# Altium PCB 学习型红外转发器.PcbDoc
Units mm, origin at the board's own origin, x right, y up, seen from the top; angles counter-clockwise.
Board outline 87.63 x 86 mm, 2 copper layers (Top Layer, Bottom Layer); 53 components, 40 nets, 214 pads, 144 vias.
Unrouted connection lines stored in the file: 5.
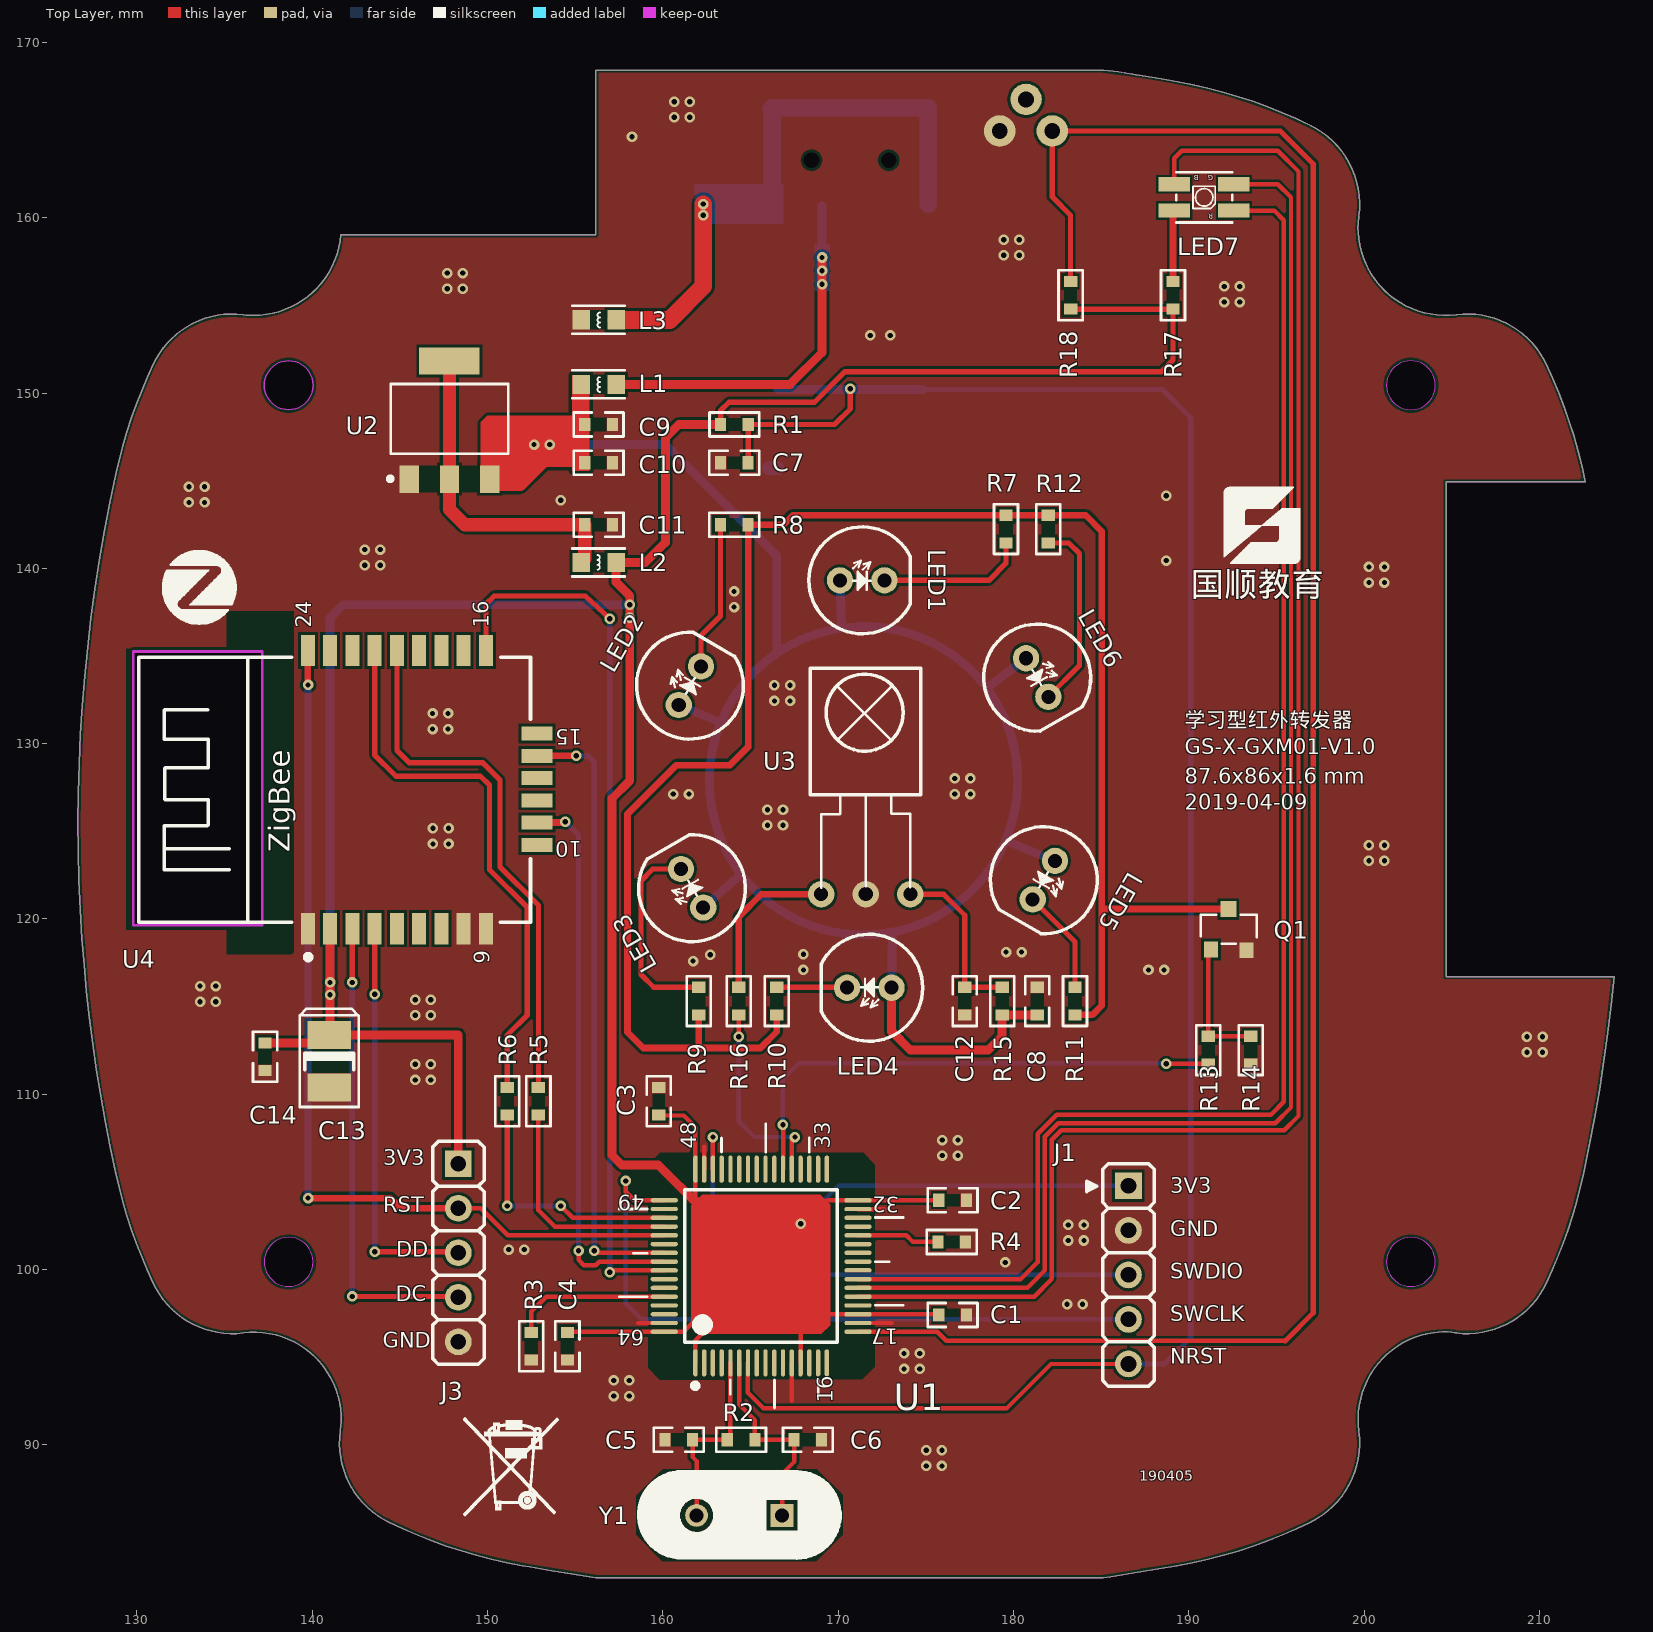
[diagram p0: Top Layer view]
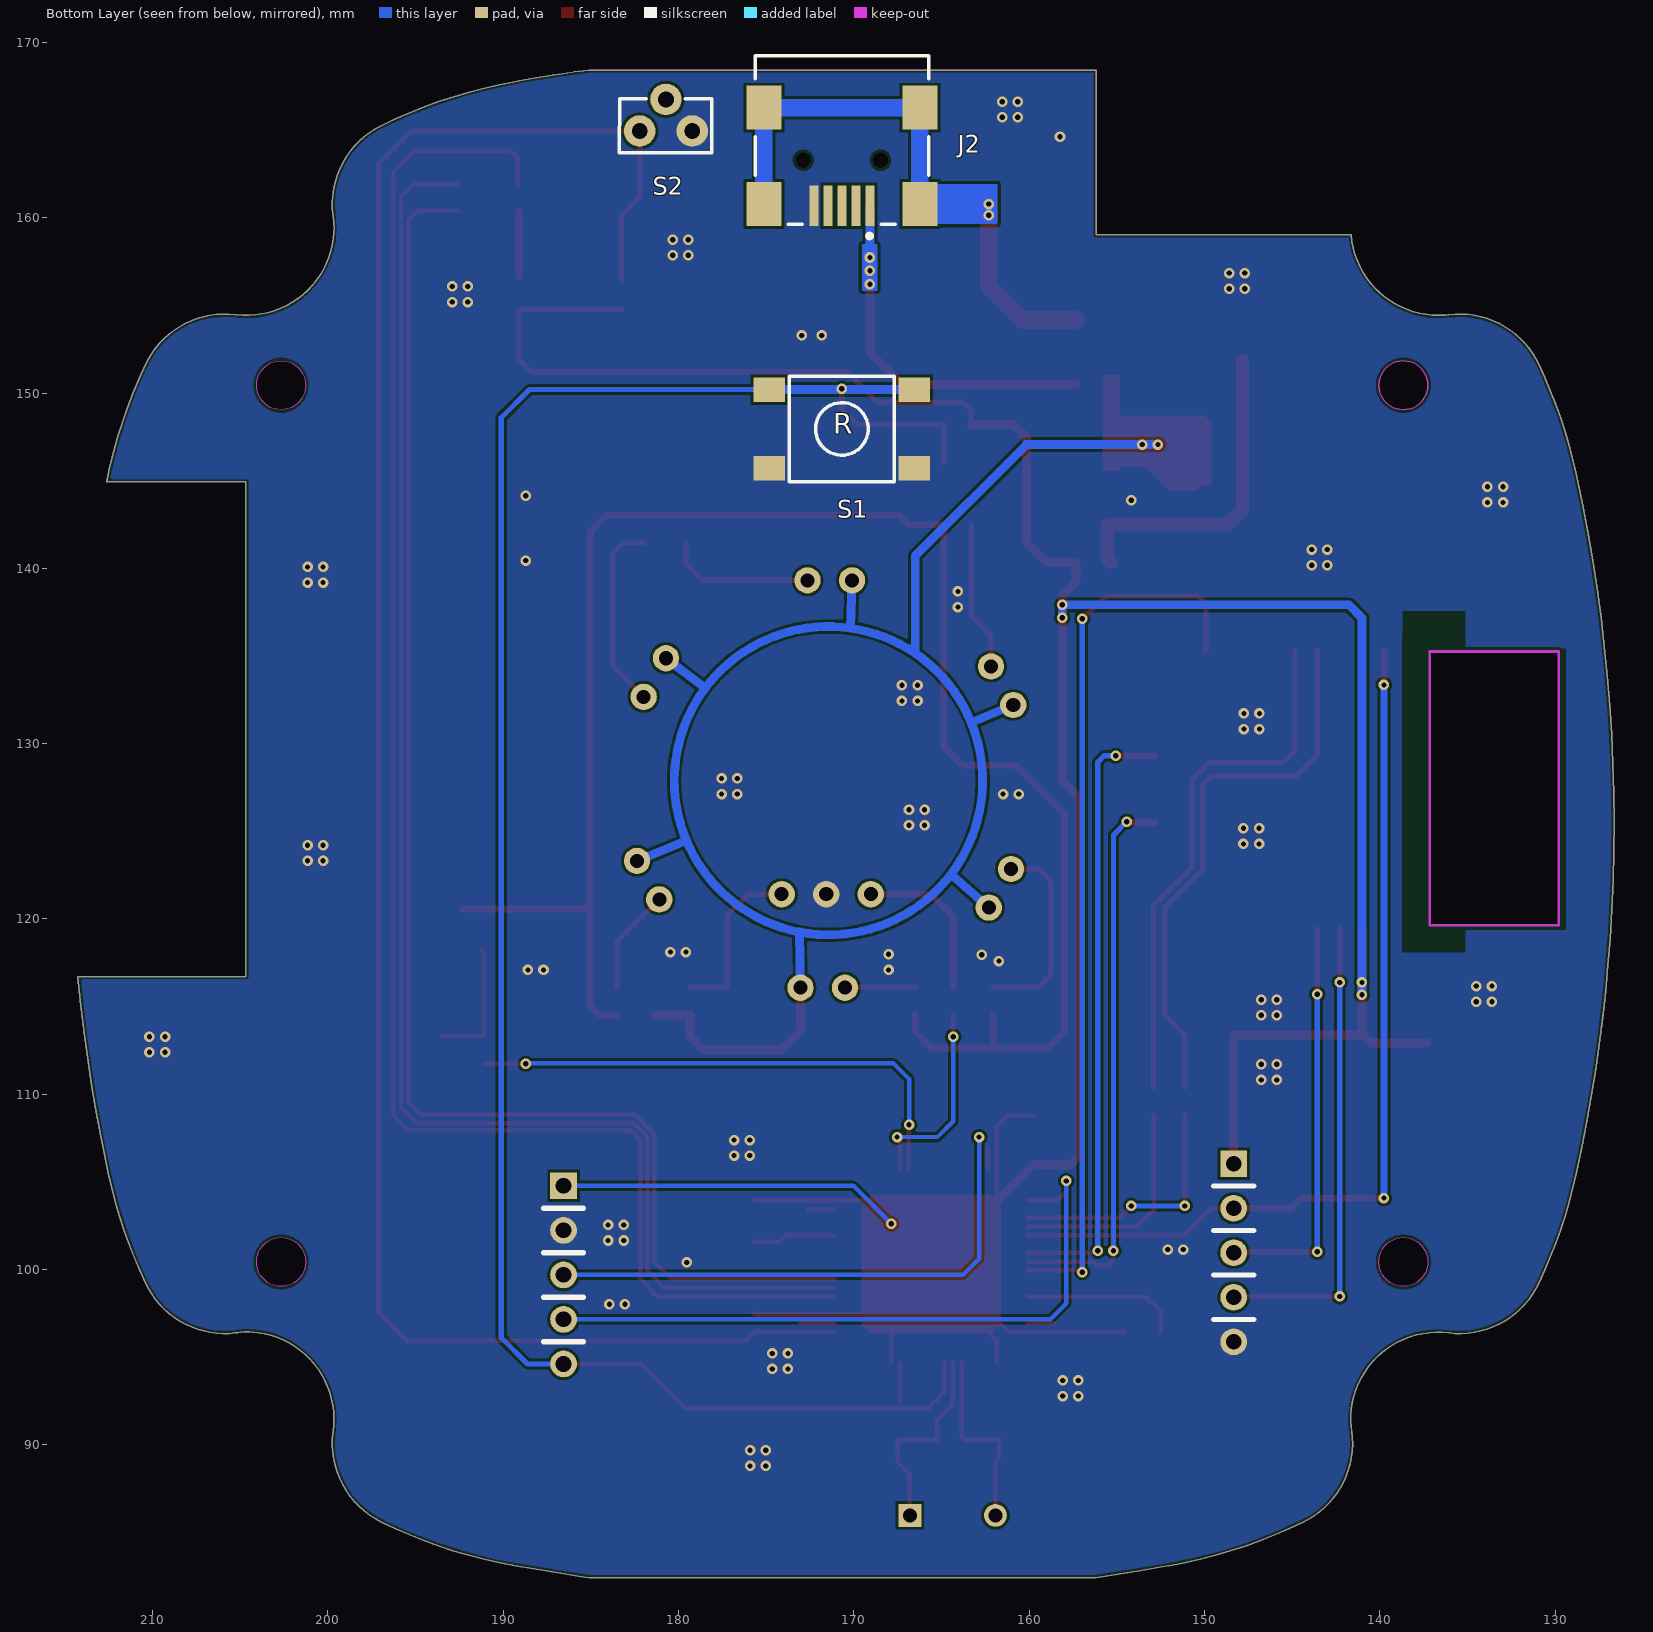
[diagram p1: Bottom Layer view, seen from below]
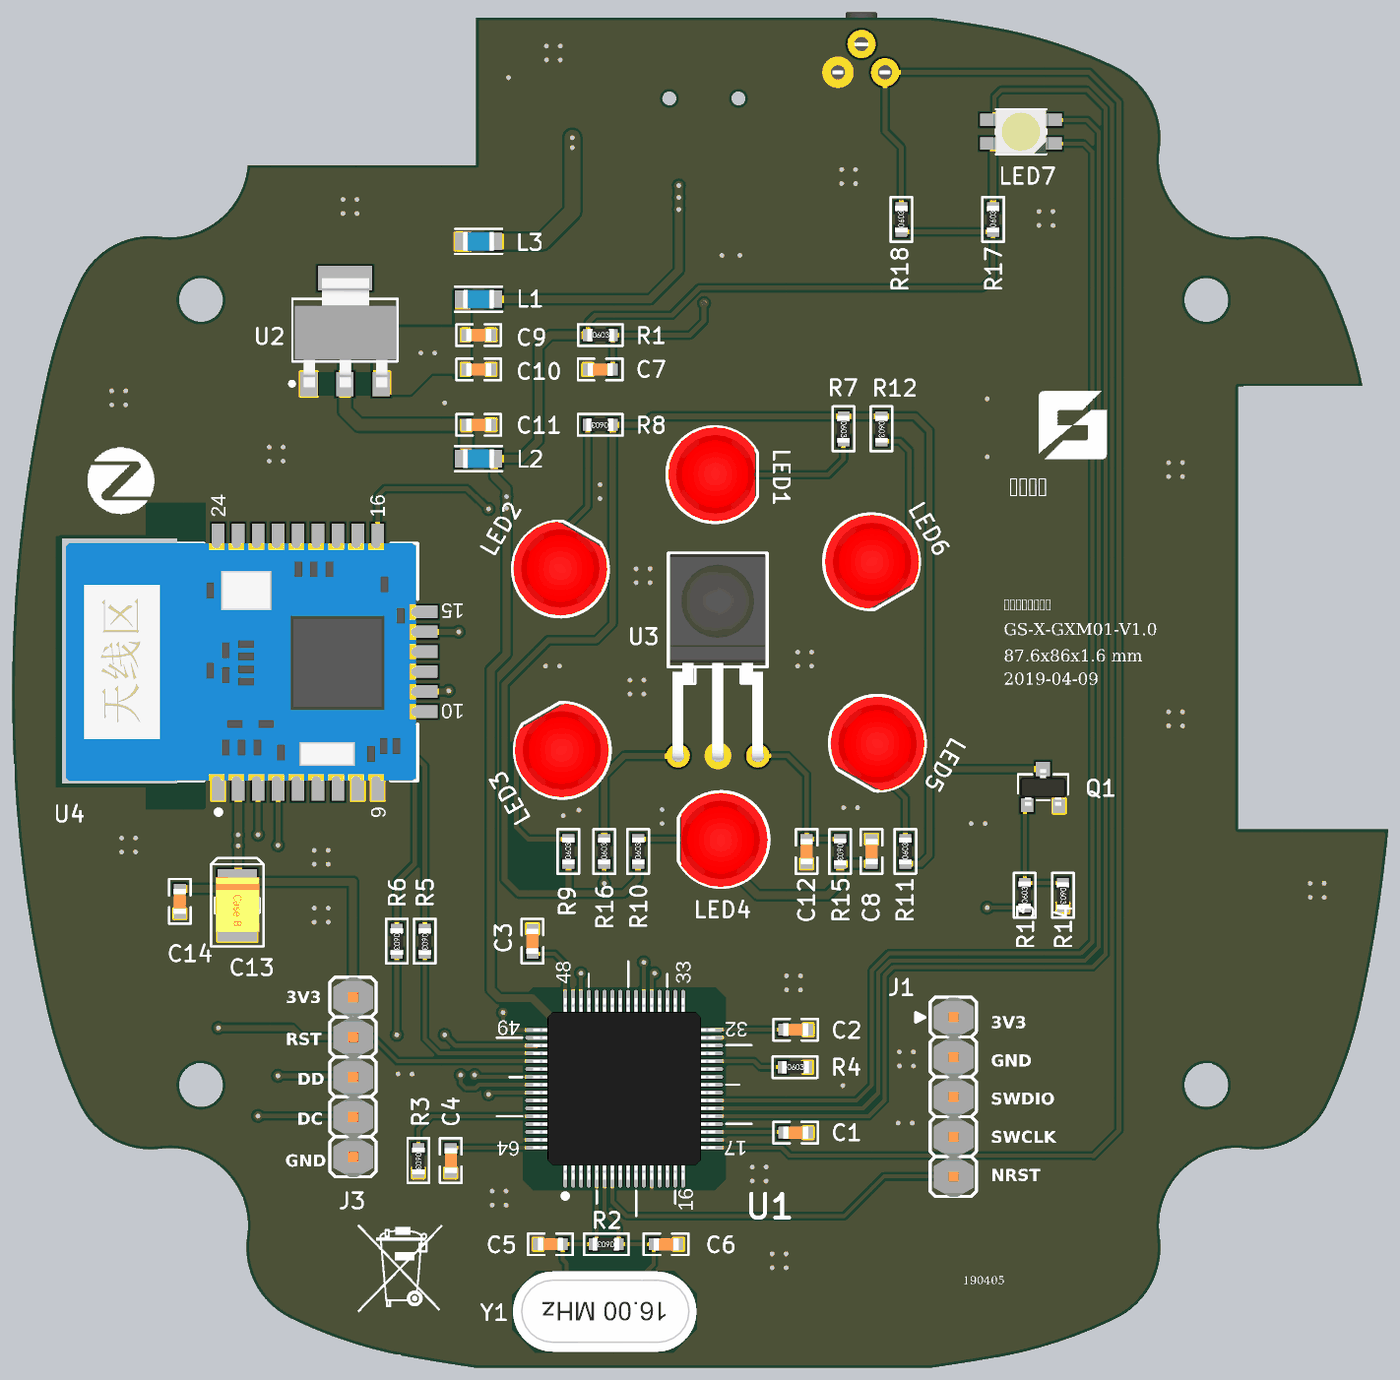
[diagram p2: 3D render of the assembled board from above, using the file's embedded part models]
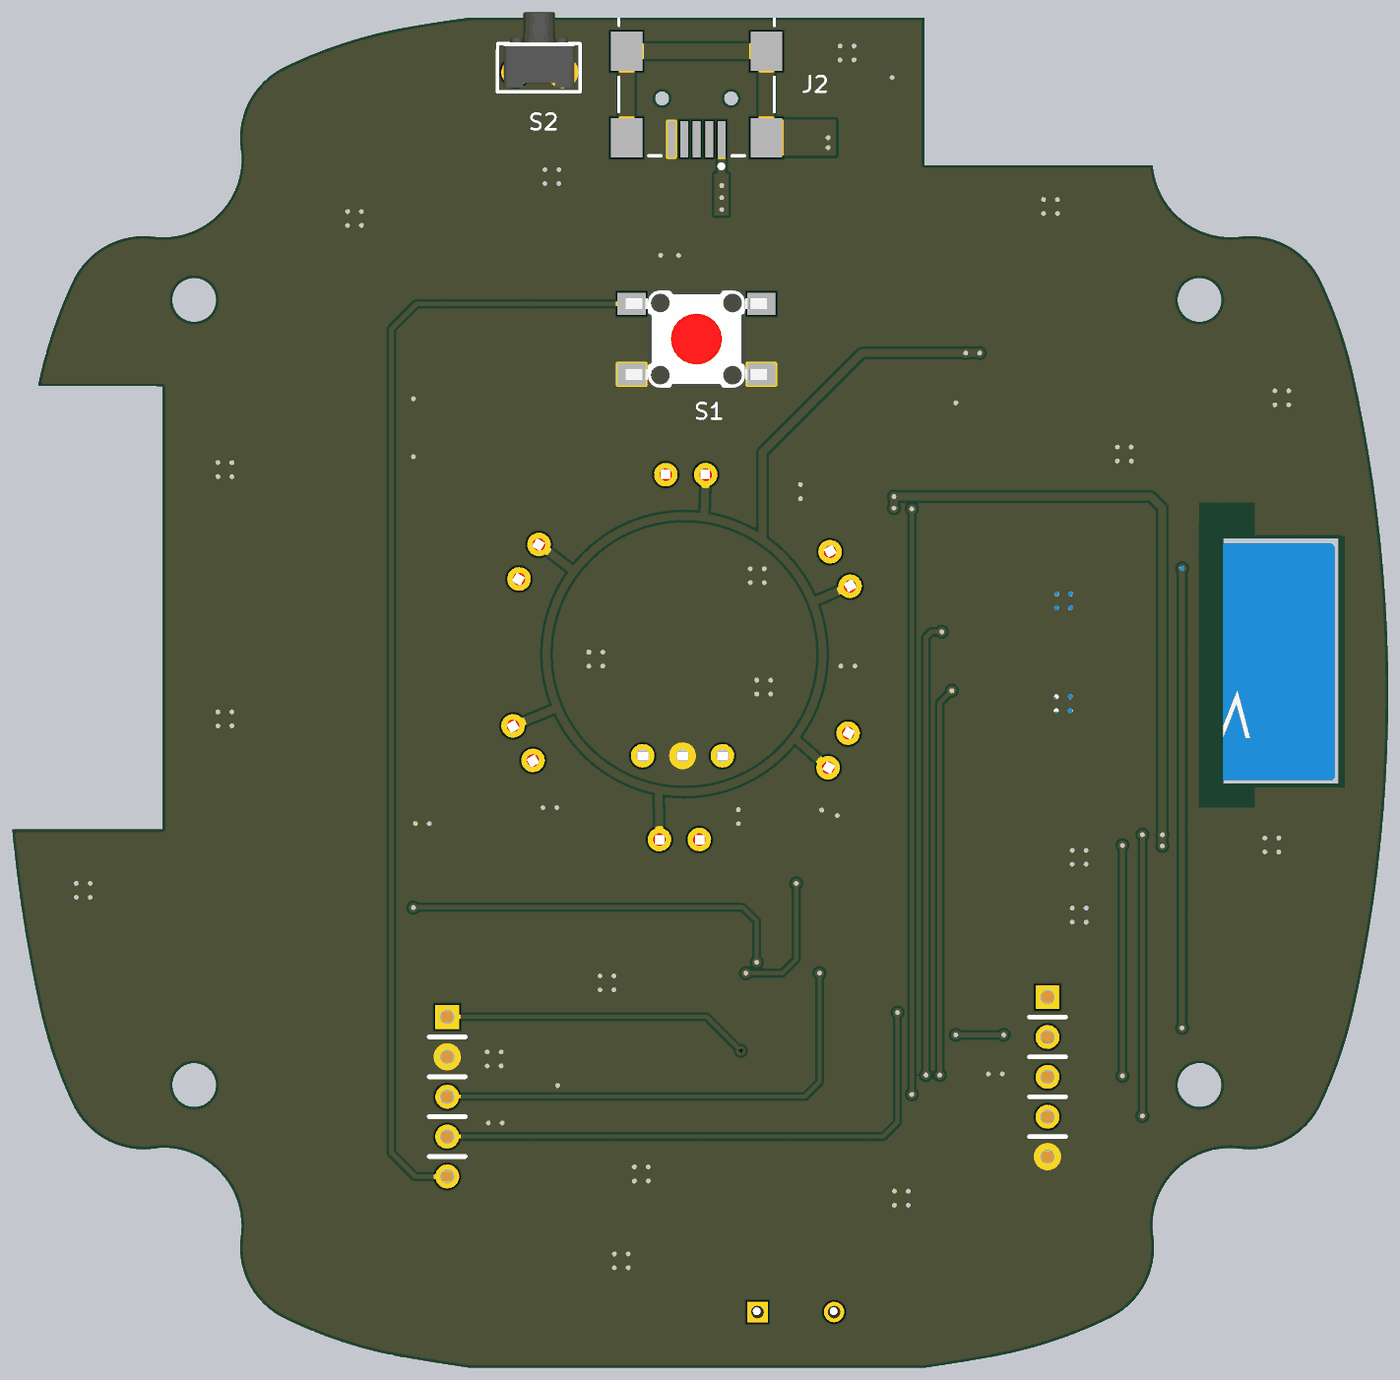
[diagram p3: 3D render of the assembled board from below, using the file's embedded part models]

## Layer stack, top to bottom
Top Solder: solder mask 0.0102, Solder Resist, Dk 3.5
Top Layer: signal copper 0.0356
Dielectric1: dielectric 0.32, FR-4, Dk 4.8
Bottom Layer: signal copper 0.0356
Bottom Solder: solder mask 0.0102, Solder Resist, Dk 3.5

## Board outline
144.372,85.597 cw(c146.562,90.104) 141.595,90.769 ccw(c137.235,91.465) 141.628,91.026 ccw(c137.011,91.478) 141.615,92.049 ccw(c136.691,91.467) 136.056,96.384 cw(c135.451,101.344) 130.934,99.21 cw(c157.137,111.639) 128.796,105.485 cw(c218.103,125.194) 126.866,118.872 cw(c219.949,125.414) 128.796,145.374 cw(c157.135,139.22) 130.934,151.649 cw(c135.451,149.515) 136.056,154.474 136.249,154.45 ccw(c136.647,159.439) 141.635,159.032 156.184,159.032 156.184,168.429 185.121,168.429 cw(c176.162,97.681) 186.818,168.194 188.083,167.993 188.923,167.848 189.343,167.774 cw(c184.024,138.847) 196.959,165.262 cw(c194.725,160.756) 199.71,160.09 ccw(c203.483,159.451) 199.677,159.844 ccw(c203.851,159.415) 199.655,159.469 ccw(c204.386,159.412) 199.69,158.835 ccw(c204.658,159.441) 205.275,154.474 cw(c205.879,149.515) 210.397,151.649 cw(c184.197,139.221) 212.626,144.936 204.684,144.935 204.684,116.718 214.264,116.718 214.263,116.705 cw(c120.692,125.43) 212.528,105.488 cw(c184.548,111.487) 210.397,99.21 cw(c205.879,101.344) 205.275,96.384 ccw(c204.606,92.742) 205.014,96.423 ccw(c204.587,92.53) 204.499,96.445 ccw(c204.602,91.916) 203.989,96.405 203.989,96.404 ccw(c204.652,91.459) 199.71,90.769 cw(c194.725,90.103) 196.959,85.597 cw(c184.182,111.652) 189.335,83.094 189.343,83.11 cw(c169.419,193.665) 187.235,82.751 185.544,82.491 185.121,82.429 156.184,82.429 154.931,82.618 153.672,82.82 152.409,83.035 151.988,83.11 cw(c156.913,111.104)
cut-out: 201.279,100.437 ccw(c202.677,100.437) 202.677,99.04 ccw(c202.677,100.437) 204.074,100.437 ccw(c202.677,100.437) 202.677,101.834 ccw(c202.677,100.437)
cut-out: 137.256,100.437 ccw(c138.653,100.437) 138.654,99.04 ccw(c138.654,100.437) 140.051,100.437 ccw(c138.654,100.437) 138.654,101.834 ccw(c138.653,100.437)
cut-out: 201.279,150.447 ccw(c202.677,150.447) 202.677,149.05 ccw(c202.677,150.447) 204.074,150.447 ccw(c202.677,150.447) 202.677,151.844 ccw(c202.677,150.447)
cut-out: 138.654,149.05 cw(c138.653,150.447) 137.256,150.447 cw(c138.653,150.447) 138.654,151.844 cw(c138.654,150.447) 140.051,150.447 cw(c138.654,150.447)
cut-out: 129.794,119.634 137.156,119.634 137.156,135.255 129.794,135.255

## Design rules (kind name [scope] priority, off if disabled: settings)
Clearance [All] p1: gap=0.152 ignorepadtopadclearanceinfootprint=FALSE except(0: Arc-Hole Track-Hole SMDPad-Hole THPad-Hole Via-Hole Fill-Hole Poly-Hole Region-Hole Text-Hole)
PolygonConnect [All] p1: connectstyle=Direct reliefconductorwidth=0.254 reliefentries=4 polygonreliefangle="90 Angle" airgapwidth=0.254
RoutingVias [All] p1: holewidth=0.711 width=1.27 viastyle="Through Hole" minholewidth=0.711 minwidth=1.27 maxholewidth=0.711 maxwidth=1.27
SolderMaskExpansion [All] p1: expansion=0.102
Width [All] p1: maxlimit=2 minlimit=0.254 preferedwidth=0.254
30 further rules are at their usual default settings.

## Classes and differential pairs
component class 学习型红外转发器-MCU: C1 C2 C3 C4 C5 C6 C7 J1 R1 R2 R3 R4 R5 R6 R16 S1 U1 Y1
component class 学习型红外转发器: C8 C9 C10 C11 C12 C13 C14 J2 J3 L1 L2 L3 LED1 LED2 LED3 LED4 LED5 LED6 LED7 Q1 R1 R3 R6 R7 R8 R9 R10 R11 R12 R13 R14 R15 R16 R17 R18 S2 U1 U2 U3 U4

## Components (designator, comment, footprint, x,y, rotation, side; value= is the part's Value field where it differs from the comment)
C1 "100nF" C0603 176.53,97.409 r0 top
C2 "100nF" C0603 176.53,103.962 r180 top
C3 "100nF" C0603 159.766,109.601 r270 top
C4 "100nF" C0603 154.559,95.631 r90 top
C5 "20pF" C0603 160.909,90.297 r180 top
C6 "20pF" C0603 168.275,90.297 r0 top
C7 "10nF" C0603 164.081,146.021 r0 top
C8 "10uF" C0603 181.356,115.316 r90 top
C9 "10uF" C0603 156.337,148.209 r0 top
C10 "100nF/50V" C0603 156.337,146.021 r0 top
C11 "100nF/50V" C0603 156.337,142.494 r0 top
C12 "100nF" C0603 177.225,115.316 r270 top
C13 "10uF/25V" TC3528X21B 140.97,111.887 r270 top
C14 "1nF" C0603 137.31,112.141 r270 top
J1 "HDRM-2.54/11-1*5P-AK" HDRM-2.54-1*5P-AK 186.563,104.775 r270 top
J2 "miniUSB" "USB MINI/SM0.8-6H5" 170.683,163.482 r0 bottom locked
J3 "HDRM-1*5-2.54-AK" HDRM-2.54-1*5P-AK1 148.336,106.037 r270 top
L1 "742792042" L0805 156.337,150.495 r180 top
L2 "742792042" L0805 156.337,140.335 r0 top
L3 "742792042" L0805 156.337,154.178 r180 top
LED1 "F5,红外" IR-F5-V 170.104,139.319 r0 top locked
LED2 "F5,红外" IR-F5-V 160.909,132.207 r60 top locked
LED3 "F5,红外" IR-F5-V 162.306,120.65 r120 top locked
LED4 "F5,红外" IR-F5-V 173.05,116.078 r180 top locked
LED5 "F5,红外" IR-F5-V 182.372,123.317 r240 top locked
LED6 "F5,红外" IR-F5-V 180.721,134.874 r300 top locked
LED7 "3528RGB" LED_3528RGB 190.881,161.163 r180 top
Q1 "8050(J3Y),SOT23" SOT23 192.285,119.393 r270 top
R1 "10K" R0603 164.087,148.209 r0 top
R2 "1M" R0603 164.465,90.297 r180 top
R3 "10K" R0603 152.502,95.631 r270 top
R4 "10K" R0603 176.488,101.575 r0 top
R5 "1K" R0603 152.904,109.601 r270 top
R6 "1K" R0603 151.126,109.601 r270 top
R7 "51Ω" R0603 179.578,142.24 r270 top
R8 "51Ω" R0603 164.081,142.494 r180 top
R9 "51Ω" R0603 162.052,115.316 r90 top
R10 "51Ω" R0603 166.497,115.316 r90 top
R11 "51Ω" R0603 183.515,115.316 r90 top
R12 "51Ω" R0603 181.991,142.24 r270 top
R13 "1K" R0603 191.117,112.522 r90 top
R14 "5K" R0603 193.548,112.522 r270 top
R15 "300Ω" R0603 179.354,115.316 r270 top
R16 "300Ω" R0603 164.338,115.316 r90 top
R17 "300Ω" R0603 189.103,155.575 r90 top
R18 "10K" R0603 183.261,155.575 r90 top
S1 "6X6X4.3,红" SW2-6.0X6.0X4.3-R-SMD 170.688,147.955 r180 bottom
S2 "4.5X4.5X4.8,黑" SW2-4.5*4.5*4.8MM-Side-BK 180.721,166.751 r0 bottom
U1 "STM32F103RCT6" LQFP64 165.608,100.203 r90 top locked
U2 "AMS1117-3.3V" SOT-223 147.828,148.463 r0 top
U3 "HS0038" HS0038-H 169.037,121.412 r0 top locked
U4 "ZigBee_Z-0003" MODULE_ZIGBEE_Z-0003 146.292,127.381 r90 top
Y1 "8MHz" X_HC49-S 166.805,85.979 r180 top
